# Altium PCB W55RP20-EVB-Pico_V100.PcbDoc (continued)
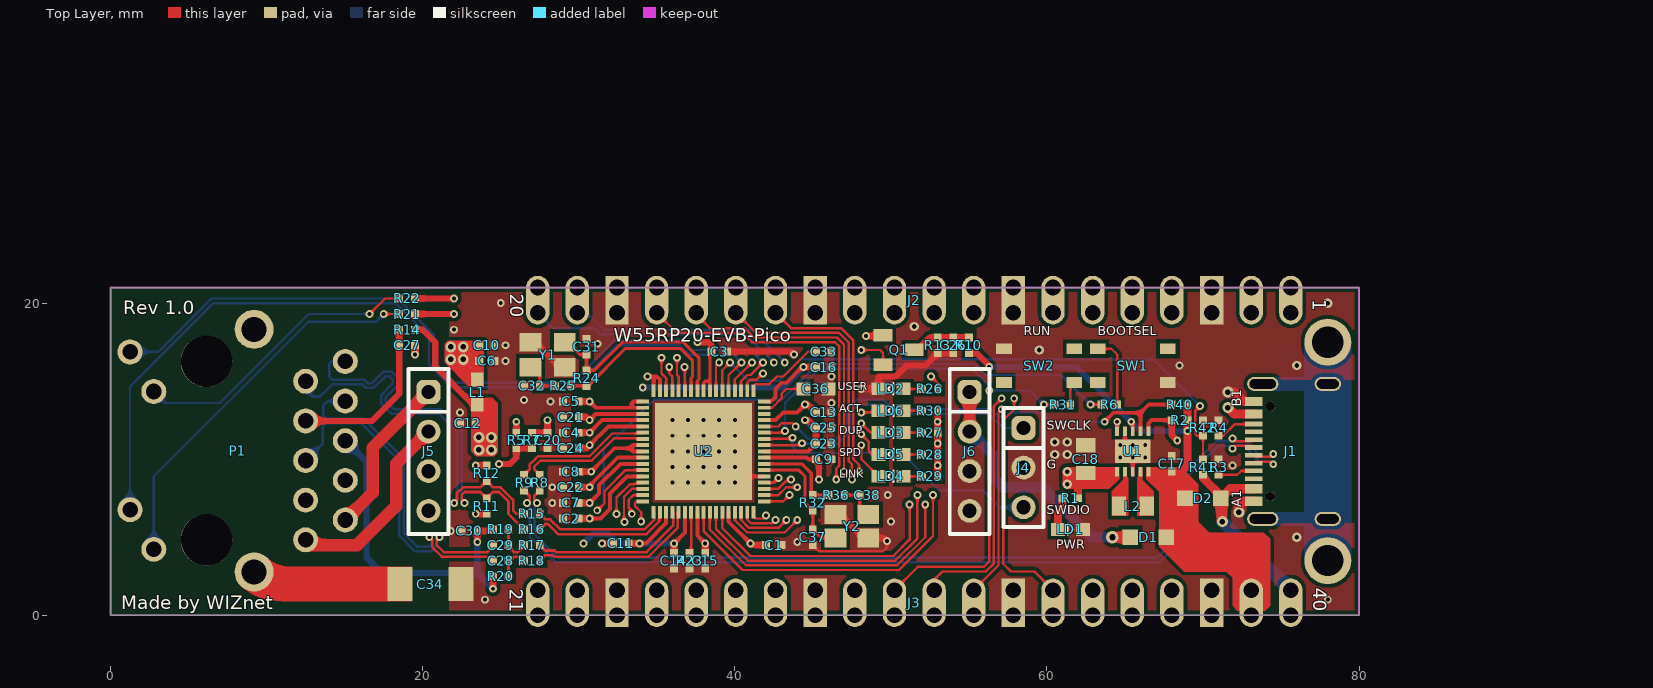
[diagram p0: Top Layer view]
## Nets (pads, with @x,y where several pads share a name; then routed paths per layer and width w, separated by ;. In a path a pad name is that pad's centre, name@x,y a point inside that pad or via, vN(x,y) a via of type N, cw(c..) or ccw(c..) an arc to the next point about the centre after c; other vN are vias at no path point)
1V1: C22.2 C23.2 C24.2 C25.2 TP4.1 U2.26 U2.56 U2.61 | length 34.4
  Top Layer w0.25: v1(30.7,8.2) 30.7,8.3 32.5,10.1 U2.61 ; v1(30.7,10.9) 31.9,12.1 U2.56 ; U2.26 44.7,10.5 C23.2
  Top Layer w0.4: C22.2 v1(30.7,8.2) ; C24.2 30.5,10.7 v1(30.7,10.9) ; v1(44.5,12.5) 44.7,12.5 C25.2 C23.2
  Inner layer 1 (Gnd) w0.4: v1(30.7,8.2) 31.4,8.9 31.4,10.2 v1(30.7,10.9)
  Inner layer 2 (Vcc) w0.4: v1(30.7,10.9) 31.3,10.9 33.5,13.1 43.9,13.1 v1(44.5,12.5)
  Bottom Layer w0.4: v1(44.5,12.5) 44.9,12.1 TP4.1
3V3: C1.2 C2.2 C3.2 C4.2 C5.2 C6.2 C7.2 C8.2 C9.2 C10.2 C18.2 J3.16 L1.1 Q1.1 R1.1 R5.1 R21.2 R22.2 R27.1 R28.1 R29.1 R30.1 TP1.1 U1.1 U1.10 U2.13 U2.25 U2.42 U2.43 U2.50 U2.51 U2.52 U2.53 U2.55 U2.59 U2.60 U2.62 U2.64 | length 57.1
  Top Layer w0.2: U2.43 38,14.9 38.1,15 38.4,15 ; U2.42 38.4,15 ; C3.2 38.4,16.8 38.4,15
  Top Layer w0.25: v1(30.7,6.2) 31.4,6.2 32,6.8 32,7.8 33.1,8.9 U2.64 ; v1(30.7,7.2) 31.3,7.8 31.3,8.334 32.666,9.7 U2.62 ; v1@30.7,11.675 v1(30.7,11.7) 31.5,12.5 U2.55 ; v1(30.7,13.7) 31.1,13.3 33.4,13.3 ; v1(30.8,9.2) 32.3,10.7 33.3,10.7 ; U2.60 33.5,10.5 33.3,10.7 ; U2.59 33.5,10.9 33.3,10.7 ; U2.53 33.4,13.3 ; U2.52 33.5,13.7 33.4,13.6 33.4,13.3 ; v1(34.4,15.3) 34.8,15.3 ; U2.51 34.8,15.3 ; U2.50 35.2,15.1 35,15.3 34.8,15.3 ; U2.13 39.6,5.995 39.605,5.995 v1(41,4.6) ; U2.25 44.6,10.1 44.7,10 C9.2 ; U1.10 v1(64.5,12.4)
  Top Layer w0.4: R21.2 v1(22,19.3) ; R22.2 v1(22,20.3) ; R5.1 v1(26,12.4) ; C4.2@29.97,11.7 C4.2 v1(30.7,11.7) ; C2.2 v1(30.7,6.2) ; C7.2 v1(30.7,7.2) ; C8.2 v1(30.8,9.2) ; C5.2 v1(30.7,13.7) ; v1(37.6,17.5) 38.3,17.5 38.5,17.3 C3.2 ; v1(41,4.6) 41.1,4.5 C1.2 ; C9.2 45.4,9.8 v1(45.4,8.7) ; v1(48.4,17.9) 49.45,17.9 Q1.1 ; R29.1 v1(53,9.6) R28.1 R27.1 R30.1
  Top Layer w0.5: R1.1 62,8.611 C18.2
  Bottom Layer w0.4: v2(22.6,17.2) TP1.1
  other v1: 53,11 53,12.4
  other v2: 21.8,16.4 22.6,16.4 21.8,17.2
  other v3: 61.3,8.4 61.3,9.2
3V3_EN: J3.17 R2.2 U1.6 | length 13.4
  Top Layer w0.25: U1.6 66.5,12.3 66.7,12.5 R2.2
  Top Layer w0.4: J3.17@67.89,1.61 J3.17@68.01,1.61 ; R2.2 68,11.55 v1(68.35,11.2)
  Inner layer 1 (Gnd) w0.4: J3.17@68.01,1.61 68.35,1.95 v1(68.35,11.2)
3V3A: C11.2 C12.2 C13.2 C14.2 C15.2 C16.2 L1.2 R11.2 R12.2 R14.1 TP2.1 U2.3 U2.6 U2.8 U2.31 U2.34 | length 60.5
  Top Layer w0.25: v1(33.9,4.6) 34.3,4.6 35.6,5.9 U2.3 ; v1@36.1,4.592 36.8,5.292 U2.6 ; U2.8 37.6,5.1 v1(38.1,4.6) ; U2.31 42.605,12.5 43.105,13 44,13 v1(44.5,13.5) ; U2.34 42.305,13.7 42.6,13.995 42.6,14.5 43,14.9 43.3,14.9 44.3,15.9 v1(44.4,15.9)
  Top Layer w0.4: R14.1 20,18.3 20.8,17.5 20.8,15.95 23.25,13.5 L1.2 ; v1(23.4,6.5) R11.2 ; v1(23.4,9.6) R12.2 ; C11.2 v1(33.9,4.6) ; C14.2 v1@36.1,4.592 ; C15.2 v1(38.1,4.6) ; v1(44.4,15.9) C16.2 ; v1(44.5,13.5) 44.525,13.525 44.675,13.525 C13.2
  Inner layer 1 (Gnd) w0.4: v2(24.4,11.4) 24.4,12.4 25.1,13.1 32.6,13.1 v1(34.1,14.6) ; v1(44.4,15.9) 44.5,15.8 v1(44.5,13.5)
  Inner layer 2 (Vcc) w0.4: v1@36.1,4.592 38.092,4.592 v1@38.099,4.599
  Bottom Layer w0.4: v2(24.4,11.4) TP2.1 ; v1(30.3,4.6) 30.9,5.2 31.9,5.2 32.5,4.6 v1(33.9,4.6) v1(36.1,4.6) ; v1(34.1,14.6) 43.1,14.6 v1(44.4,15.9)
  other v2: 23.6,10.6 24.4,10.6 23.6,11.4
ACTLED: LD6.2 P1.L2 U2.39 | length 66.7
  Top Layer w0.15: U2.39 39.6,15.376 v1(40.424,16.2) ; v1(48.1,13) 49.09,13 LD6.2
  Inner layer 2 (Vcc) w0.15: v1(40.424,16.2) 40.424,15.751 41.676,14.5 44.6,14.5 46.1,13 v1(48.1,13)
  Bottom Layer w0.15: P1.L2 1.25,14.65 6.6,20 18.276,20 20.4,17.876 20.4,16.076 21.876,14.6 29.724,14.6 32.424,17.3 36.476,17.3 37.076,16.7 39.924,16.7 v1(40.424,16.2)
ADC_VREF: J3.15 R5.2 R7.2 | length 47.4
  Top Layer w0.4: v1(24.9,9.7) 25.6,9.7 26,10.1 R5.2 R7.2
  Inner layer 2 (Vcc) w0.4: v1(24.9,9.7) 24.9,4.3 26.4,2.8 61.74,2.8 J3.15@62.93,1.61
CGND: C34.1 J1.S1 J1.S2 J1.S3 J1.S4 P1.R7 P1.S1 P1.S2 pad.1@78,3.5 pad.1@78,17.5 | length 38.4
  Inner layer 1 (Gnd) w0.5: 9.2,8.645 P1.R7
  Inner layer 1 (Gnd) w1.5: P1.S2 9.2,8.645 P1.S1
  Bottom Layer w0.9: J1.S1 J1.S3 J1.S4 J1.S2
DUPLED: LD3.2 U2.38 | length 13.9
  Top Layer w0.15: U2.38 40,15.1 v1(41.1,16.2) ; v1(48.1,12.3) 48.69,11.71 LD3.2
  Inner layer 2 (Vcc) w0.15: v1(41.1,16.2) 41.1,15.5 41.8,14.8 44.776,14.8 45.501,14.075 46.501,14.075 46.876,13.7 48.2,13.7 48.6,13.3 48.6,12.8 v1(48.1,12.3)
GND: C1.1 C2.1 C3.1 C4.1 C5.1 C6.1 C7.1 C8.1 C9.1 C10.1 C11.1 C12.1 C13.1 C14.1 C15.1 C16.1 C17.1 C18.1 C20.1 C21.1 C22.1 C23.1 C24.1 C25.1 C26.2 C27.1 C30.1 C31.1 C32.1 C33.1 C34.2 C36.1 C37.2 C38.2 J1.A1_B12 J1.B1_A12 J2.3 J2.8 J2.13 J2.18 J3.3 J3.8 J3.13 J3.18 J4.2 J6.3 J6.4 LD1.2 LD2.2 R3.2 R4.1 R13.1 R23.1 R42.1 SW1.4 SW2.4 U1.0 U1.3 U1.9 U2.22 U2.69 Y1.2 Y1.4 Y2.2 Y2.4 | length 37.2
  Top Layer w0.15: C37.2 45.4,4.1 49.5,4.1 49.75,4.35 v1(49.75,4.75)
  Top Layer w0.25: v1(40,9.5) 40.6,8.9 U2.22 ; U1.9 65,11 U1.0 ; U1.3 v1(65.5,10.1) U1.0 ; v1(65.5,10.9) U1.0
  Top Layer w0.4: Y1.2 27.2,17.5 28.8,15.9 Y1.4 ; v1(31.5,4.6) C11.1 ; C3.1 43.6,16.9 v1(43.8,16.7) ; Y2.4 46.75,6.45 48.25,4.95 49.55,4.95 v1(49.75,4.75) ; v1(48.1,14.5) LD2.2@49.19,14.5 ; LD2.2 49.2,15.3 50.3,15.3 51,16 52.2,16 R13.1 C26.2
  Top Layer w0.5: v1(19.5,16.7) C27.1
  Top Layer w0.6: v2(71.6,14.3) 72,14.3 72.6,13.7 J1.B1_A12 ; v2(72.3,6.6) 72.3,7 72.6,7.3 J1.A1_B12
  Inner layer 1 (Gnd) w0.5: v1(19.5,16.7) 21.1,18.3 v1(22,18.3)
  other v1: 24,1 78,1 44,4.7 21.8,5.4 50,6 28.3,7.2 49.8,7.7 28.3,8.2 36,8.5 37,8.5 38,8.5 39,8.5 40,8.5 36,9.5 37,9.5 38,9.5 39,9.5 71.9,9.6 64.7,10.1 66.3,10.1 36,10.5 37,10.5 38,10.5 39,10.5 40,10.5 64.7,10.9 66.3,10.9 36,11.5 37,11.5 38,11.5 39,11.5 40,11.5 36,12.5 37,12.5 38,12.5 39,12.5 40,12.5 22.4,13 46.2,13.6 28.2,13.7 26.5,13.8 46.2,15.3 68.5,16 25.3,16.3 25.3,17.3 31.2,17.4 25,20
  other v3: 76,5 60.5,10.3 61.3,10.3 60.5,11.1 61.3,11.1 76,16 59.5,17 51.5,18.5 78,20
GPIO0: J2.1 U2.65 | length 60.9
  Top Layer w0.15: v1(32.42,6.485) 32.42,7.544 33.276,8.4 33.557,8.4 33.607,8.45 34.05,8.45 U2.65
  Inner layer 1 (Gnd) w0.15: v1(32.42,6.485) 32.05,6.115 32.05,4.35 33.175,3.225 65.449,3.225 67.8,5.576 67.8,13.676 71.504,17.38 73.62,17.38 J2.1@75.63,19.39
GPIO1: J2.2 U2.66 | length 56.9
  Top Layer w0.15: v1(32.925,5.983) 32.9,6.007 32.9,7.6 33.4,8.1 U2.66
  Inner layer 1 (Gnd) w0.15: v1(32.925,5.983) 32.7,5.758 32.7,4.124 33.299,3.525 65.325,3.525 67.5,5.7 67.5,13.8 J2.2@73.09,19.39
GPIO2: J2.4 U2.67 | length 53
  Top Layer w0.15: v1(33.4,6.5) 33.4,6.7 33.2,6.9 33.2,7.4 33.5,7.7 U2.67
  Inner layer 1 (Gnd) w0.15: v1(33.4,6.5) 33.4,4.1 33.675,3.825 65.125,3.825 67.2,5.9 67.2,18.58 J2.4@68.01,19.39
GPIO3: J2.5 U2.68 | length 50.9
  Top Layer w0.15: v1(34,6) 34,6.6 33.6,7 33.6,7.2 33.7,7.3 U2.68
  Inner layer 1 (Gnd) w0.15: v1(34,6) 34.4,5.6 34.4,4.5 34.775,4.125 35,4.125 64.925,4.125 66.9,6.1 66.9,17.96 J2.5@65.47,19.39
GPIO4: J2.6 U2.9 | length 41.5
  Top Layer w0.15: U2.9 38,5.4 40.5,2.9 50.524,2.9 52.7,5.076 v1(52.7,7.7)
  Inner layer 1 (Gnd) w0.15: v1(52.7,7.7) 52.7,7.9 52.1,8.5 52.1,16.427 53.673,18 61.54,18 J2.6@62.93,19.39
GPIO5: J2.7 U2.10 | length 38.1
  Top Layer w0.15: U2.10 38.4,5.5 40.7,3.2 50.4,3.2 52.2,5 v1(52.2,7.1)
  Inner layer 1 (Gnd) w0.15: v1(52.2,7.1) 52.2,7.9 51.8,8.3 51.8,16.551 53.549,18.3 59.3,18.3 J2.7@60.39,19.39
GPIO6: J2.9 U2.11 | length 32.2
  Top Layer w0.15: U2.11 38.8,5.524 40.824,3.5 50.276,3.5 51.7,4.924 v1(51.7,7.7)
  Inner layer 1 (Gnd) w0.15: v1(51.7,7.7) 51.5,7.9 51.5,16.676 53.424,18.6 54.52,18.6 J2.9@55.31,19.39
GPIO7: J2.10 U2.12 | length 29.4
  Top Layer w0.15: U2.12 39.2,5.6 41,3.8 50.151,3.8 51.2,4.849 v1(51.2,7.1)
  Inner layer 1 (Gnd) w0.15: v1(51.2,7.1) 51.2,16.8 52.77,18.37 J2.10@52.77,19.39
GPIO8: J2.11 U2.14 | length 22.5
  Top Layer w0.15: U2.14 40,6.095 40.795,5.3 43.2,5.3 v1(44,6.1)
  Inner layer 1 (Gnd) w0.15: v1(44,6.1) 46.449,6.1 49.4,9.051 49.4,18.56 J2.11@50.23,19.39
GPIO9: J2.12 U2.15 | length 21.7
  Top Layer w0.15: U2.15 40.4,6.119 40.919,5.6 42.8,5.6 v1(43.3,6.1)
  Inner layer 1 (Gnd) w0.15: v1(43.3,6.1) 43.8,6.6 46.524,6.6 49.1,9.176 49.1,17.98 J2.12@47.69,19.39
GPIO10: J2.14 U2.16 | length 23.8
  Top Layer w0.15: U2.16 40.8,6.143 41.043,5.9 42.4,5.9 v1(42.6,6.1) ; J2.14@42.61,19.39 43.6,18.4 46.8,18.4 47.6,17.6 47.6,10 47.975,9.625 v1(47.975,9.2)
  Inner layer 1 (Gnd) w0.15: v1(42.6,6.1) 43.4,6.9 46.4,6.9 47.975,8.475 v1(47.975,9.2)
GPIO11: J2.15 U2.17 | length 24.7
  Top Layer w0.15: J2.15@40.07,19.39 40.76,18.7 41.36,18.1 46.676,18.1 47.3,17.476 47.3,9.876 47.5,9.676 v1(47.5,8.7) ; U2.17 41.2,6.325 41.325,6.2 41.8,6.2 v1(42,6.4)
  Inner layer 1 (Gnd) w0.15: v1(42,6.4) 42.8,7.2 46.276,7.2 47.5,8.424 v1(47.5,8.7)
GPIO12: J2.16 U2.18 | length 25.1
  Top Layer w0.15: J2.16@37.53,19.39 37.53,19.27 38.4,18.4 40.636,18.4 41.236,17.8 46.551,17.8 47,17.351 47,9.476 v1(47,9.2) ; U2.18 43.1,7.3 v1(43.5,7.7)
  Inner layer 1 (Gnd) w0.15: v1(43.5,7.7) 43.7,7.5 46.1,7.5 47,8.4 v1(47,9.2)
GPIO13: J2.17 U2.19 | length 26.9
  Top Layer w0.15: J2.17@34.99,19.39 36.28,18.1 40.487,18.1 41.087,17.5 46.427,17.5 46.7,17.227 46.7,9.6 46.5,9.4 v1(46.5,8.7) ; U2.19 42.8,7.7 43.3,8.2 v1(44,8.2)
  Inner layer 1 (Gnd) w0.15: v1(44,8.2) 44,8 44.2,7.8 45.9,7.8 46.5,8.4 v1(46.5,8.7)
GPIO14: J2.19 U2.20 | length 24.7
  Top Layer w0.15: U2.20 42.776,8.1 43.376,8.7 v1@43.594,8.7
  Inner layer 1 (Gnd) w0.15: v1(43.2,16.2) 42.575,15.575 42.575,9.727 v1(43.594,8.708)
  Bottom Layer w0.15: J2.19@29.91,19.39 30.51,19.39 31.6,18.3 41.1,18.3 v1(43.2,16.2)
GPIO15: J2.20 U2.21 | length 25.2
  Top Layer w0.15: U2.21 42.504,8.5 42.8,8.796 v1(42.8,8.8)
  Inner layer 1 (Gnd) w0.15: v1(42.5,16.2) 42.275,15.975 42.275,9.325 v1(42.8,8.8)
  Bottom Layer w0.15: J2.20@27.37,19.39 28.36,18.4 31,18.4 31.4,18 40.7,18 v1(42.5,16.2)
GPIO16: R40.2 U1.7 U2.30 | length 30.8
  Top Layer w0.15: U2.30 42.8,12.1 43,12.3 43.7,12.3 v1(43.9,12.1)
  Top Layer w0.25: v1(63.7,12.4) 64.275,12.975 66,12.975 ; U1.7 66,12.975 ; R40.2 66.525,13.5 66,12.975
  Bottom Layer w0.15: v1(43.9,12.1) 44.7,11.3 46.476,11.3 47.1,11.924 47.1,13.124 47.776,13.8 49.524,13.8 50.124,13.2 56.424,13.2 56.924,12.7 57.4,12.7 57.7,13 59.7,13 60.3,12.4 v1(63.7,12.4)
GPIO18: R41.1 R42.2 U2.40 | length 38.4
  Top Layer w0.15: U2.40 39.2,15.7 v1(39.7,16.2) ; v1(69.8,13.4) 69.5,13.1 69.5,11.6 69.6,11.5 R42.2 R41.1
  Bottom Layer w0.15: v1(39.7,16.2) 40.875,15.025 42.825,15.025 44.2,16.4 66.8,16.4 v1(69.8,13.4)
GPIO19: R26.1 U2.41 | length 17.6
  Top Layer w0.15: U2.41 38.8,16 v1(39,16.2) ; v1(52.575,15.3) 53,14.875 R26.1
  Inner layer 2 (Vcc) w0.15: v1(39,16.2) 40,17.2 45.603,17.2 47.203,15.6 52.275,15.6 v1(52.575,15.3)
GPIO26/ADC0: J3.11 U2.46 | length 44.4
  Top Layer w0.15: v1(36.775,15.9) 36.8,15.875 U2.46 ; J3.11@52.77,1.61 52.77,2.27 53.3,2.8 56.076,2.8 56.6,3.324 56.6,13.4 v1(57.1,13.9)
  Inner layer 2 (Vcc) w0.15: v1(36.775,15.9) 37.549,15.9 39.449,17.8 45.851,17.8 47.451,16.2 51.676,16.2 52.276,16.8 56.754,16.8 58.521,15.033 58.521,13.821 58.1,13.4 57.6,13.4 v1(57.1,13.9)
GPIO27/ADC1: J3.12 U2.47 | length 42.9
  Top Layer w0.15: v1@36.3,16.4 36.3,15.4 36.4,15.3 U2.47 ; J3.12@55.31,1.61 56.9,3.2 56.9,13 v1(57.1,13.2)
  Inner layer 2 (Vcc) w0.15: v1(36.3,16.5) 37.724,16.5 39.324,18.1 45.976,18.1 47.576,16.5 51.551,16.5 52.151,17.1 56.878,17.1 58.821,15.157 58.821,13.497 58.324,13 57.3,13 v1(57.1,13.2)
GPIO28/ADC2: J3.14 U2.48 | length 42.6
  Top Layer w0.15: v1(35.8,15.9) 35.8,15.5 36,15.3 U2.48 ; v1(57.9,13.9) 57.9,13.2 57.2,12.5 57.2,3.3 57.7,2.8 59.2,2.8 J3.14@60.39,1.61
  Inner layer 2 (Vcc) w0.15: v1(35.8,15.9) 36.3,15.4 37.473,15.4 39.573,17.5 45.727,17.5 47.327,15.9 51.8,15.9 52.4,16.5 56.6,16.5 58.2,14.9 58.2,14.075 58.025,13.9 v1(57.9,13.9)
GPIO29/ADC3: Q1.2 U2.49 | length 18.6
  Top Layer w0.15: v1(35.3,16.5) 35.3,15.5 35.6,15.2 U2.49 ; v1(48.1,17) 49.3,17 49.5,16.8 Q1.2
  Inner layer 2 (Vcc) w0.15: v1(35.3,16.5) 35.8,17 37.8,17 39.2,18.4 46.1,18.4 47.5,17 v1(48.1,17)
LINKLED: LD4.2 P1.L4 U2.37 | length 64.1
  Top Layer w0.15: U2.37 40.4,15 40.8,15.4 41,15.4 v1(41.8,16.2) ; v1(48.1,10.9) 48.1,10.01 LD4.2
  Inner layer 2 (Vcc) w0.15: v1(41.8,16.2) 42.5,15.5 42.6,15.4 45.1,15.4 45.8,14.7 46.6,14.7 46.9,15 48.4,15 49.2,14.2 49.2,12 v1(48.1,10.9)
  Bottom Layer w0.15: P1.L4 3.051,16.875 6.476,20.3 18.4,20.3 20.7,18 20.7,16.2 22,14.9 29.6,14.9 32.3,17.6 36.6,17.6 37.2,17 41,17 v1(41.8,16.2)
NetC26_1: C26.1 Q1.3 R10.1 R13.2 | length 3.8
  Top Layer w0.4: Q1.3 51.7,17 52.5,17.8 R13.2 C26.1 R10.1@54.95,17.8
NetC27_2: C27.2 P1.R4 R14.2 | length 10.8
  Top Layer w0.4: P1.R4 16.755,12.455 18.5,14.2 C27.2 R14.2
NetC28_1: C28.1 R18.1 R20.2 | length 2.2
  Top Layer w0.165: R20.2@25.5,2.4 25.5,3.4 25.85,3.75 26.25,3.75 R18.1
NetC28_2: C28.2 P1.R3 | length 21
  Top Layer w0.165: v1(20.425,5) 20.6,4.825 20.6,4.376 21.226,3.75 24.15,3.75 C28.2@24.5,3.4
  Bottom Layer w0.165: P1.R3 13.921,13.725 13.625,13.429 13.625,12.798 13.823,12.6 16.2,12.6 18.8,10 18.8,5.224 19.624,4.4 20.4,4.4 20.6,4.6 20.6,4.825 v1(20.425,5)
NetC29_1: C29.1 R17.1 R19.2 | length 2.4
  Top Layer w0.165: R19.2@25.5,5.4 25.5,4.4 25.85,4.05 26.1,4.05 26.5,4.45 R17.1
NetC29_2: C29.2 P1.R6 | length 21.5
  Top Layer w0.165: v1(21.075,5) 20.9,4.825 20.9,4.5 21.35,4.05 24.15,4.05 C29.2@24.5,4.4
  Bottom Layer w0.165: P1.R6 13.6,11.015 13.6,12.1 13.8,12.3 16.076,12.3 18.5,9.876 18.5,5.1 19.5,4.1 20.524,4.1 20.9,4.476 20.9,4.825 v1(21.075,5)
NetC30_2: C30.2 P1.R5 R19.1 R20.1 | length 21.4
  Top Layer w0.4: v1(23.5,4.7) C30.2 R19.1@24.5,5.4 ; v1(24.5,1.7) R20.1@24.5,2.4
  Bottom Layer w0.4: P1.R5 16.4,9.825 16.4,3.7 17.4,2.7 23.5,2.7 ; v1(23.5,4.7) 23.5,2.7 ; v1(24.5,1.7) 23.5,2.7
NetC31_2: C31.2 R24.1 U2.44 Y1.1 | length 13.2
  Top Layer w0.2: Y1.1 29.3,17.5 30.1,16.7 C31.2 R24.1 31,15.7 32.8,17.5 36.7,17.5 37.7,16.5 37.7,15.1 37.6,15 U2.44
NetC32_2: C32.2 R25.1 Y1.3 | length 2.4
  Top Layer w0.2: Y1.3 27.5,15.3 C32.2 R25.1
NetC33_2: C33.2 U2.35 | length 5.2
  Top Layer w0.15: U2.35 41.2,14.675 41.325,14.8 42.2,14.8 42.7,15.3 43.1,15.3 44.7,16.9 C33.2
NetC36_2: C36.2 U2.33 | length 3.3
  Top Layer w0.15: U2.33 42.4,13.3 43,13.9 43,14.2 43.3,14.5 C36.2@44.5,14.5
NetC38_1: C38.1 R36.1 Y2.3 | length 2.7
  Top Layer w0.2: R36.1 C38.1 48,6.8 Y2.3@48.55,6.25
NetJ1_A5: J1.A5 R3.1 | length 2.4
  Top Layer w0.15: R3.1 72.2,9 72.45,9.25 J1.A5
NetJ1_B5: J1.B5 R4.2 | length 2.6
  Top Layer w0.15: R4.2 71.3,11.5 72.05,12.25 J1.B5
NetL2_1: L2.1 U1.4 | length 2.3
  Top Layer w0.25: U1.4 66,7.3 L2.1@66.3,7
NetL2_2: L2.2 U1.2 | length 2.4
  Top Layer w0.25: L2.2 65,7.389 U1.2
NetLD1_1: LD1.1 R1.2 | length 1.6
  Top Layer w0.5: 60.7,6 60.7,6.6 61,6.9 R1.2
NetLD2_1: LD2.1 R26.2 | length 1.1
  Top Layer w0.15: LD2.1@50.9,14.5 R26.2
NetLD3_1: LD3.1 R27.2 | length 1.1
  Top Layer w0.15: LD3.1@50.9,11.7 R27.2
NetLD4_1: LD4.1 R29.2 | length 1.1
  Top Layer w0.15: LD4.1@50.9,8.9 R29.2
NetLD5_1: LD5.1 R28.2 | length 1.2
  Top Layer w0.15: LD5.1@50.81,10.3 R28.2
NetLD6_1: LD6.1 R30.2 | length 1.1
  Top Layer w0.15: LD6.1@50.9,13.1 R30.2
NetP1_L1: P1.L1 R21.1 | length 24.7
  Top Layer w0.15: v1(17.5,19.3) R21.1
  Bottom Layer w0.15: P1.L1 2.77,8.907 12.663,18.8 17,18.8 v1(17.5,19.3)
NetP1_L3: P1.L3 R22.1 | length 18.8
  Top Layer w0.15: v1(16.6,19.3) 17.6,20.3 R22.1
  Bottom Layer w0.15: P1.L3 3.505,13.6 7,13.6 12.7,19.3 v1(16.6,19.3)
NetP1_R1: P1.R1 R11.1 R16.1 | length 25.6
  Top Layer w0.165: v1(22.675,7.2) 22.5,7.375 22.5,7.7 22.7,7.9 23.7,7.9 R11.1 24.5,7.9 24.876,7.9 25.5,7.276 25.5,6.5 R16.1
  Bottom Layer w0.165: P1.R1 14.165,16.265 14,16.1 14,15.3 14.2,15.1 16.25,15.1 16.35,15 16.47,14.88 16.753,14.88 17.483,15.61 18.014,15.61 18.377,15.246 18.377,14.715 17.647,13.985 17.647,13.703 17.855,13.495 17.975,13.375 18.15,13.2 21.2,13.2 22.5,11.9 22.5,7.375 v1(22.675,7.2)
NetP1_R2: P1.R2 R12.1 R15.1 | length 25.8
  Top Layer w0.165: v1(22.025,7.2) 22.2,7.375 22.2,7.824 22.576,8.2 23.7,8.2 R12.1 24.5,8.2 25,8.2 25.8,7.4 25.8,6.7 26,6.5 R15.1
  Bottom Layer w0.165: P1.R2 12.5,14.45 12.934,14.016 13.416,14.016 14.2,14.8 16.126,14.8 16.138,14.788 16.258,14.667 16.346,14.58 16.877,14.58 17.607,15.31 17.889,15.31 18.077,15.122 18.077,14.84 17.347,14.109 17.347,13.579 17.642,13.283 17.763,13.163 18.026,12.9 21.076,12.9 22.2,11.776 22.2,7.375 v1(22.025,7.2)
NetR6_1: R6.1 U2.63 | length 43.7
  Top Layer w0.15: v1(31.183,6.725) 31.2,6.725 31.65,7.175 31.65,7.95 31.813,8.112 33,9.3 U2.63 ; v1(62.8,13.5) R6.1
  Bottom Layer w0.15: v1(31.183,6.725) 31.6,7.142 31.6,10.6 34.8,13.8 43,13.8 45.3,16.1 55.4,16.1 56.1,15.4 60.9,15.4 v1(62.8,13.5)
NetR6_2: R6.2 SW1.1 | length 4.6
  Top Layer w0.15: SW1.1 64.125,17.075 64.5,16.7 R6.2
NetR8_2: R8.2 U2.58 | length 8.4
  Top Layer w0.15: 27.38,9.745 27.535,9.9 30.824,9.9 32.274,11.35 34.05,11.35 U2.58
  Top Layer w0.165: 27.374,9.75 27.15,9.526 27.15,9.35 R8.2
NetR9_2: R9.2 U2.57 | length 8.9
  Top Layer w0.15: 27.25,10.05 27.4,10.2 30.7,10.2 32.15,11.65 34.05,11.65 U2.57
  Top Layer w0.165: R9.2 26.85,9.35 26.85,9.65 27.25,10.05
NetR15_2: R15.2 U2.1 | length 8.5
  Top Layer w0.165: R15.2 27.85,6.15 28.171,6.15 28.821,5.5 34.2,5.5 34.842,6.142 34.842,6.558 U2.1
NetR16_2: R16.2 U2.2 | length 9
  Top Layer w0.165: R16.2 27.85,5.85 28.026,5.85 28.576,5.3 28.691,5.185 34.33,5.185 34.345,5.2 35.158,6.012 35.158,6.558 U2.2
NetR17_2: R17.2 U2.4 | length 10.3
  Top Layer w0.165: R17.2 27.85,4.15 28.45,4.15 28.55,4.05 34.35,4.05 36.05,5.75 36.05,6.096 36.042,6.104 36.042,6.558 U2.4
NetR18_2: R18.2 U2.5 | length 10.8
  Top Layer w0.165: R18.2 27.85,3.85 28.326,3.85 28.426,3.75 34.474,3.75 36.35,5.626 36.35,6.096 36.358,6.104 36.358,6.558 U2.5
NetR23_2: R23.2 U2.7 | length 2.6
  Top Layer w0.15: R23.2 37.2,4.1 U2.7
NetR24_2: R24.2 R25.2 U2.45 | length 11.1
  Top Layer w0.2: R25.2 R24.2 30.6,14.7 33,17.1 36.5,17.1 37.3,16.3 37.3,15.3 37.2,15.2 U2.45
NetR31_1: R31.1 SW2.1 | length 1.5
  Top Layer w0.15: R31.1 61.5,14.675 SW2.1
POE: D1.2 J6.1 J6.2 | length 16.5
  Top Layer w0.7: J6.2 J6.1 ; v4(64.2,5) D1.2
  Bottom Layer w0.7: J6.2 56.5,10.314 56.5,8.9 57.218,8.182 59.718,8.182 62.9,5 v4(64.2,5)
RUN: J3.10 R31.2 TP13.1 U2.29 | length 41.5
  Top Layer w0.15: U2.29 43.107,11.7 v1(43.22,11.813) ; J3.10@50.23,1.61 51.72,3.1 55.951,3.1 56.3,3.449 v1(56.3,14.4) ; v1(59.8,13.5) R31.2
  Bottom Layer w0.15: v1(43.22,11.813) 43.22,13.596 45.424,15.8 55.2,15.8 56.3,14.7 v1(56.3,14.4) 58.9,14.4 v1(59.8,13.5) TP13.1
SPDLED: LD5.2 U2.36 | length 13.9
  Top Layer w0.15: U2.36 40.8,14.9 41,15.1 41.4,15.1 v1(41.8,15.5) ; v1(48.1,11.6) 48.575,11.125 48.575,10.525 48.79,10.31 LD5.2
  Inner layer 2 (Vcc) w0.15: v1(41.8,15.5) 42.2,15.1 44.9,15.1 45.625,14.375 46.625,14.375 47,14 48.4,14 48.9,13.5 48.9,12.4 v1(48.1,11.6)
SWCLK: J4.1 U2.27 | length 19
  Top Layer w0.15: U2.27 44.2,10.9 44.3,11 v1(44.3,11.025)
  Bottom Layer w0.15: v1(44.3,11.025) 44.325,11 46.6,11 47.4,11.8 47.4,13 47.9,13.5 49.4,13.5 50,12.9 56.3,12.9 57.2,12 J4.1
SWDIO: J4.3 U2.28 | length 18.9
  Top Layer w0.15: U2.28 43.7,11.3 v1(43.7,11.375)
  Bottom Layer w0.15: v1(43.7,11.375) 43.7,10.8 44.1,10.4 50.7,10.4 53.1,8 55.9,8 56.98,6.92 J4.3
USB_DM: J1.A7 J1.B7 R9.1 | length 60.3
  Top Layer w0.165: R9.1 26.85,7.65 26.85,7.375 v1(26.675,7.2) ; v1(71.9,10.675) 72.075,10.85 73.15,10.85 J1.A7 ; J1.B7 73.35,9.85 74.325,9.85 v1(74.5,9.675)
  Bottom Layer w0.165: v1(26.675,7.2) 26.85,7.025 26.85,5.05 28.5,3.4 67.2,3.4 69.1,5.3 69.1,8.976 70.974,10.85 71.725,10.85 v1(71.9,10.675) 72.075,10.85 72.626,10.85 73.626,9.85 74.325,9.85 v1(74.5,9.675)
USB_DP: J1.A6 J1.B6 R8.1 | length 59.8
  Top Layer w0.165: v1(27.325,7.2) 27.15,7.375 27.15,7.65 R8.1 ; v1(71.9,11.325) 72.075,11.15 73.15,11.15 J1.B6 ; J1.A6 73.35,10.15 74.325,10.15 v1(74.5,10.325)
  Bottom Layer w0.165: v1(27.325,7.2) 27.165,7.04 27.165,5.18 28.645,3.7 67.076,3.7 68.8,5.424 68.8,9.1 70.85,11.15 71.725,11.15 v1(71.9,11.325) 72.075,11.15 72.75,11.15 73.75,10.15 74.325,10.15 v1(74.5,10.325)
VBUS: D2.2 J1.A4_B9 J1.B4_A9 J3.20 R41.2 | length 28.3
  Top Layer w0.5: R41.2 70,8.8 D2.2@71.15,7.65
  Top Layer w0.6: D2.2 D2.2@71.15,7.65 ; D2.2@71.2,7.55 71.75,8.1 J1.A4_B9 ; v2(71.6,13.3) 72,12.9 J1.B4_A9
  Top Layer w0.7: D2.2@71.2,7.55 71.2,6.04 v2(71.24,6)
  Inner layer 2 (Vcc) w0.8: v2(71.24,6) 71.2,6.04 71.2,7.6 72.2,8.6 75.2,8.6 75.9,9.3 75.9,11.8 75.5,12.2 72.7,12.2 v2(71.6,13.3)
  Bottom Layer w0.8: v2(71.24,6) J3.20@75.63,1.61
VC1: J5.1 P1.R9 | length 10.4
  Top Layer w0.8: P1.R9 16.8,7.865 16.8,10.735 J5.1
VC2: J5.2 P1.R10 | length 12.6
  Top Layer w0.8: P1.R10 12.835,4.5 15.8,4.5 18.3,7 18.3,9.695 J5.2
VDC_AVDD: C20.2 C21.2 R7.1 U2.54 | length 8.9
  Top Layer w0.25: v1(30.7,12.5) 31.1,12.9 U2.54 U2.54@34.193,12.9
  Top Layer w0.4: R7.1 C20.2 v1(28,12.5) ; C21.2 30.5,12.7 v1(30.7,12.5)
  Inner layer 1 (Gnd) w0.4: v1(28,12.5) v1(30.7,12.5)
VSYS: C17.2 D1.1 D2.1 J3.19 R2.1 R10.2 R40.1 U1.5 U1.8 | length 22
  Top Layer w0.25: v1(65.4,12.4) 65.475,12.325 65.5,12.3 U1.8
  Top Layer w0.4: R10.2 55.5,16.8 56.3,16 v1(56.3,15.9)
  Top Layer w0.5: C17.2 68.6,9.2 69,9.6 v1(69,11.8) R2.1 R40.1 ; D2.1 D2.1@69,7.65
  Bottom Layer w0.4: v1(56.3,15.9) 61.9,15.9 v1(65.4,12.4) 66,11.8 v1(69,11.8)
XIN: C37.1 R32.2 U2.23 Y2.1 | length 8.1
  Top Layer w0.2: U2.23 44.1,9.3 44.5,8.9 44.5,7.2 R32.2 C37.1 45.55,4.95 Y2.1
XOUT: R32.1 R36.2 U2.24 | length 5.7
  Top Layer w0.2: U2.24 44.3,9.7 44.9,9.1 44.9,7.8 R32.1 R36.2
pads on no net: J1. J1.A8 J1.B8 J3.1 J3.2 J3.4 J3.5 J3.6 J3.7 J3.9 J5.3 J5.4 P1.0 P1.R8 SW1.2 SW1.3 SW2.2 SW2.3 U2.32

## Polygon pours and split planes (outlines as drawn)
GND on Bottom Layer "NONET_L01_P-001" (solid, remove dead copper, pour order 3): 21.7,0 80,0 80,21 21.7,21
GND on Top Layer "NONET_L01_P-001" (solid, remove dead copper, pour order 4): 80,0 80,5.9 72.7,5.9 72.8,6 72.8,15.1 80,15.1 80,21 21.7,21 21.7,0
GND on Inner layer 1 (Gnd) "NONET_L01_P-001" (solid, remove dead copper, pour order 2): 21.7,0 80,0 80,21 21.7,21
3V3A on Inner layer 2 (Vcc) "NONET_L01_P-001" (solid, remove dead copper, pour order 6): 21.7,12 25.3,12 27,10.3 27,5.5 27.5,5 30.5,5 30.5,0 21.7,0
3V3 on Inner layer 2 (Vcc) "NONET_L01_P-001" (solid, remove dead copper, pour order 5): 80,0 80,21 21.7,21 21.7,12.5 25.5,12.5 27.5,10.5 27.5,5.8 27.8,5.5 31,5.5 31,0 64,0

## Keep-outs
Keep-Out Layer:
  the board outline again, w0.12

## Other copper
Top Layer:
  region net CGND: 19.3,3.1 11.566,3.1 cw(c11.566,5.466) 9.893,3.793 8.391,2.291 ccw(c8.621,2.062) 8.413,1.813 ccw(c10.931,4.831) 10.931,0.9 19.3,0.9
  region net NetL2_2: 64.3,8.1 64.161,7.961 64.161,6.378 65.2,6.378 65.2,8.825 65.113,8.912
  region net NetL2_1: 65.887,8.912 66.846,7.954 66.846,6.378 65.8,6.378 65.8,8.825
  region net 3V3: 61.3,8.1 61,8.4 61,9.2 61.3,9.5 64.625,9.5 64.625,8.725 64,8.1
  region net VSYS: 69.7,6 69.7,8.4 68.6,9.5 66.375,9.5 66.375,8.725 67.2,7.9 67.2,4.4 68.8,2.8 71.5,2.8 71.9,2.4 71.9,0.6 72.2,0.3 74,0.3 74.3,0.6 74.3,4.9 73.9,5.3 70.4,5.3
  region net 3V3: 23.9,17.6 21.6,17.6 21.4,17.4 21.4,16.2 22.945,14.655 23.9,14.655
  region net 3V3A: 23.1,13.945 23.1,10.5 23.4,10.2 24.6,10.2 24.8,10.4 24.8,13.6 24.455,13.945
Inner layer 1 (Gnd):
  region net 3V3A: 24.6,10.2 24.8,10.4 24.8,11.6 24.6,11.8 23.4,11.8 23.2,11.6 23.2,10.4 23.4,10.2
Inner layer 2 (Vcc):
  pour cut-out: 45.7,7.1 45.7,4.3 49.3,4.3 49.3,7.1
  pour cut-out: 26.2,18.1 26.2,15.3 29.8,15.3 29.8,18.1
Bottom Layer:
  region net CGND: 76.5,17.5 76.5,3.5 79.5,3.5 79.5,17.5
  pour cut-out: 21.8,3.1 21.6,3.3 21.6,6.7 21.8,6.9 21.553,6.9 21.387,6.734 21.387,3.313 21.6,3.1
  region net 3V3: 21.6,16 21.4,16.2 21.4,17.4 21.6,17.6 22.8,17.6 23,17.4 23,16.2 22.8,16
  region net 3V3A: 23.4,10.2 23.2,10.4 23.2,11.6 23.4,11.8 24.6,11.8 24.8,11.6 24.8,10.4 24.6,10.2

## Silkscreen, mask and mechanical layers (free items; w line width, h text height)
Top Overlay:
  text "20" at 25.318,20.6 h1.5 r270
  text "1" at 76.75,20.25 h1.5 r270
  text "Rev 1.0" at 0.8,19 h1.5
  text "RUN" at 58.5,17.75 h1
  text "BOOTSEL" at 63.25,17.75 h1
  text "W55RP20-EVB-Pico" at 32.25,17.25 h1.5
  text "USER" at 46.6,14.212 h0.9
  text "ACT" at 46.7,12.811 h0.9
  text "SWCLK" at 60,11.68 h1
  text "DUP" at 46.7,11.417 h0.9
  text "SPD" at 46.7,10.012 h0.9
  text "G" at 60,9.18 h1
  text "LINK" at 46.7,8.612 h0.9
  text "SWDIO" at 60,6.28 h1
  text "PWR" at 60.6,4.08 h1
  text "40" at 76.768,1.75 h1.5 r270
  text "21" at 25.3,1.7 h1.5 r270
  text "Made by WIZnet" at 0.7,0.1 h1.5
Bottom Overlay:
  drawing of 41 lines, arcs and shapes, not listed
  text ".Layer_Name" at 13.398,24 h1.52
  text "GP1" at 72.714,15.812 h1.2 r270
  text "3V3" at 24.6,15.752 h1.1
  text "GP9" at 47.014,15.687 h1.2 r270
  text "GP8" at 49.764,15.685 h1.2 r270
  text "GP7" at 52.264,15.685 h1.2 r270
  text "GP3" at 65.214,15.684 h1.2 r270
  text "GP2" at 67.714,15.691 h1.2 r270
  text "GP0" at 75.264,15.69 h1.2 r270
  text "GP6" at 55.014,15.675 h1.2 r270
  text "GP5" at 60.014,15.669 h1.2 r270
  text "GP4" at 62.514,15.661 h1.2 r270
  text "GND" at 32.014,15.454 h1.2 r270
  text "GND" at 44.764,15.454 h1.2 r270
  text "GND" at 57.514,15.454 h1.2 r270
  text "GND" at 70.264,15.454 h1.2 r270
  text "GP11" at 39.764,15.215 h1.2 r270
  text "GP12" at 37.014,15.094 h1.2 r270
  text "GP15" at 27.014,15.072 h1.2 r270
  text "GP13" at 34.514,15.086 h1.2 r270
  text "GP10" at 42.264,15.093 h1.2 r270
  text "GP14" at 29.514,15.064 h1.2 r270
  text "3V3A" at 25.527,13.622 h1.1
  text "RUN" at 60.2,13.254 h1.1
  text "1V1" at 44.7,11.846 h1.1
  text "VSYS" at 71.744,3.226 h1.2 r270
  text "GND" at 32.04,3.198 h1.2 r270
  text "GND" at 44.79,3.198 h1.2 r270
  text "RUN" at 49.79,3.198 h1.2 r270
  text "GP26" at 52.49,3.198 h1.2 r270
  text "GP27" at 55.14,3.198 h1.2 r270
  text "GND" at 57.44,3.198 h1.2 r270
  text "GP28" at 60.025,3.198 h1.2 r270
  text "ADC_VREF" at 62.375,3.198 h1.2 r270
  text "3V3" at 65.14,3.198 h1.2 r270
  text "3V3_EN" at 67.737,3.198 h1.2 r270
  text "GND" at 70.29,3.198 h1.2 r270
  text "VBUS" at 75.04,3.198 h1.2 r270
Bottom Paste:
  text ".Layer_Name" at 13.398,24 h1.52
Bottom Solder:
  text ".Layer_Name" at 13.398,24 h1.52
Mechanical 2:
  lines w0.12: 0,0 80,0 80,21 0,21 0,0
  lines w0.25: 79.2,1.4 79.2,2.4 ; 80.1,2.4 79.2,2.4 ; 85.4,-1.4 83.4,-1.4 79.2,2.4
  text "Φ 2.0" at 86.2,-2.522 h3
Mechanical 3:
  lines w0.1: 69.25,11.75 69.25,10.75 67.25,10.75 67.25,8.5 69.5,8.5 ; 69.75,13.25 71.75,13.25 71.75,11 ; 71.5,8.5 71.75,8.5 71.75,11 ; 71.75,11 72.25,11 72.25,5.75 ; 72.25,5.75 72.25,5.75 ; 72.25,5.75 72.75,5.75 72.75,2.5 71,2.5 70,2.5 70,4.25 71,4.25 71,5.75 72.25,5.75
Drill Drawing:
  text ".Legend" at 82.7,22 h1.02

## Dimensions
-4.7,18.5 to -4.7,2.5 on Mechanical 2
78,17.5 to 78,3.5 on Mechanical 2
80.6,14.975 to 80.6,6.025 on Mechanical 2
0,21 to 0,0 on Mechanical 2
0,0 to 27.37,1.61 on Mechanical 2
75.63,1.61 to 27.37,1.61 on Mechanical 2
0,0 to 80,0 on Mechanical 2

## Text inside footprints (layer, text, board x,y; h text height)
J1: Top Overlay "B1" at 72.45,13.362 h0.6 r90; Top Overlay "A1" at 72.45,6.93 h0.6 r90